# KiCad board 2x2RemotePanel.kicad_pcb (continued)
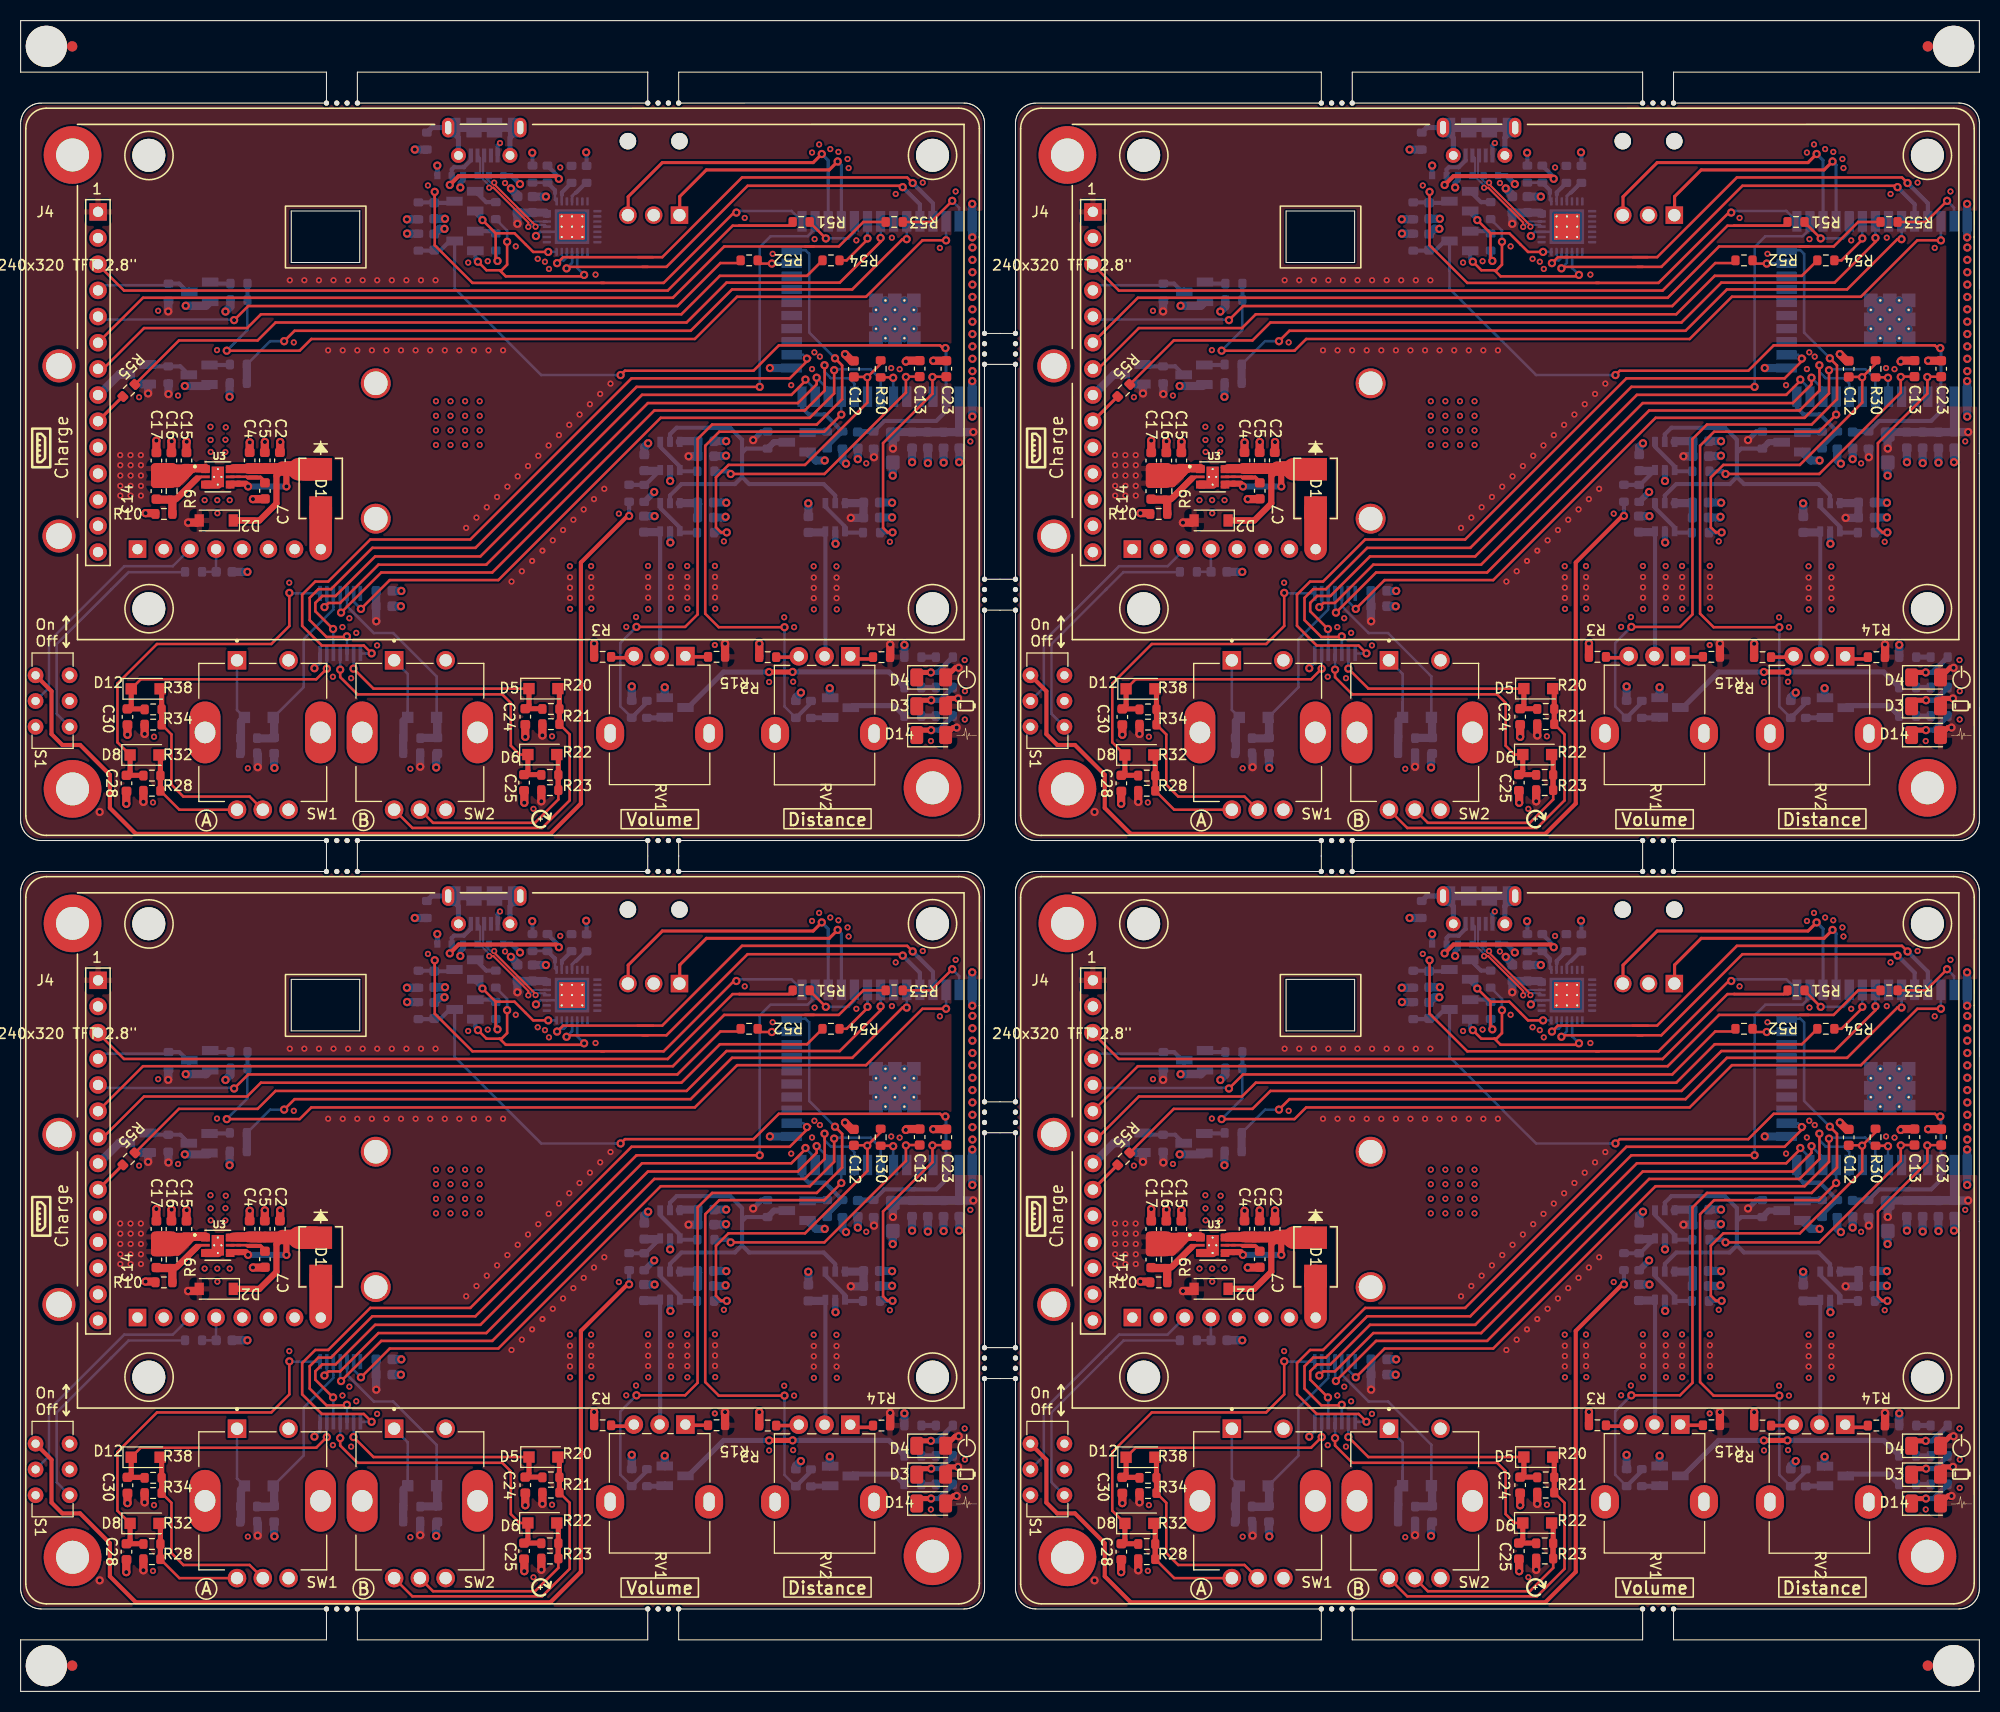
[diagram p0: board, top side]
## Nets (continued)
Board_0-unconnected-(U6-Pad16): U6#2.16
Board_0-unconnected-(U6-Pad17): U6#2.17
Board_0-unconnected-(U6-Pad18): U6#2.18
Board_0-unconnected-(U6-Pad19): U6#2.19
Board_0-unconnected-(U6-Pad20): U6#2.20
Board_0-unconnected-(U6-Pad21): U6#2.21
Board_0-unconnected-(U6-Pad22): U6#2.22
Board_0-unconnected-(U6-Pad23): U6#2.23
Board_0-unconnected-(U6-Pad27): U6#2.27
Board_0-unconnected-(U7-Pad5): U7#2.5
Board_0-unconnected-(U7-Pad17): U7#2.17
Board_0-unconnected-(U7-Pad18): U7#2.18
Board_0-unconnected-(U7-Pad19): U7#2.19
Board_0-unconnected-(U7-Pad20): U7#2.20
Board_0-unconnected-(U7-Pad21): U7#2.21
Board_0-unconnected-(U7-Pad22): U7#2.22
Board_0-VBAT: J1#4.3 S1#4.2
Board_0-VBUS: D9.2 J3#4.1 R35#3.2
Board_1-+3V3: C8#2.1 C9#2.1 C10.1 C11.1 C14.2 C15#4.2 C16#4.2 C17#4.2 C19.1 C20#3.1 C21#2.2 C22#4.1 C29#3.2 C31#4.2 C33#4.2 C34#4.2 C36#2.2 C37#4.2 C39#2.1 D2#4.2 D3#2.2 D4#2.2 D14.2 J4#4.1 Q8#3.2 R2.1 R9#4.2 R14#2.1 R17#2.1 R21.1 R23#4.1 R24#3.1 R26#4.1 R32#2.1 R33#2.1 R38.1 R39#2.1 R46#4.1 R56#4.2 U1#4.6 U2#3.6 U3.1 U3.2 U4#3.6 U5.14 U6.6 U6.7 U7#3.2
Board_1-+5V: D1#2.2 J1#3.8
Board_1-/D+: D10#3.2 J3#2.3 U6.4
Board_1-/D-: D11#4.2 J3#2.2 U6.5
Board_1-ADC0: C12#2.2 R6#4.2 R30#3.1 U7#3.9
Board_1-ADC1: C13#4.2 R7#2.2 U7#3.6
Board_1-ADC2: C23#4.2 R16#2.2 U7#3.4
Board_1-DTR: Q5#3.2 R45#4.1 U6.28
Board_1-EN_: C26#4.2 C35#3.2 Q6#4.3 R26#4.2 R48.2 U7#3.3
Board_1-Enc1A: U5.1 U7#3.16
Board_1-Enc1A_: C24.1 D5#4.1 R20#4.1 U5.2
Board_1-Enc1B: U5.3 U7#3.26
Board_1-Enc1B_: C25#3.1 D6#3.1 R22.1 U5.4
Board_1-Enc2A: U5.9 U7#3.12
Board_1-Enc2A_: C28#2.1 D8.1 R28#2.1 U5.8
Board_1-Enc2B: U5.5 U7#3.13
Board_1-Enc2B_: C30#4.1 D12.1 R34#2.1 U5.6
Board_1-ESP32_RXD0: U6.26 U7#3.35
Board_1-ESP32_TXD0: U6.25 U7#3.34
Board_1-GND: C1#3.2 C2.1 C3#2.1 C4#4.1 C5#2.1 C6.1 C7.1 C8#2.2 C9#2.2 C10.2 C11.2 C12#2.1 C13#4.1 C15#4.1 C16#4.1 C17#4.1 C18#4.1 C19.2 C20#3.2 C21#2.1 C22#4.2 C23#4.1 C24.2 C25#3.2 C26#4.1 C27.2 C28#2.2 C29#3.1 C30#4.2 C31#4.1 C32.2 C33#4.1 C34#4.1 C35#3.1 C36#2.1 C37#4.1 C38#3.2 C39#2.2 D9#2.1 D10#3.1 D11#4.1 H1#4.1 H2#4.1 H3#3.1 J1#3.2 J1#3.5 J1#3.7 J1#3.P$1 J1#3.P$2 J1#3.S1 J1#3.S2 J2#4.2 J3#2.5 J4#4.2 Q1#4.2 Q2#4.2 Q3.2 Q4#2.2 Q7.2 R3#2.2 R5#2.2 R10.1 R12.2 R13.2 R15#4.2 R19#2.2 R27#3.1 R29#3.2 R37#2.2 R41#2.2 R42#4.2 R47#2.2 R48.1 R49#3.2 S1#3.5 SW1.2 SW1.B SW1.S1 SW1.S2 SW2#2.2 SW2#2.B SW2#2.S1 SW2#2.S2 U1#4.2 U2#3.2 U3.4 U3.5 U3.11 U3.12 U3.13 U3.14 U3.15 U4#3.2 U5.7 U6.3 U6.29 U7#3.1 U7#3.15 U7#3.38 U7#3.39_1 U7#3.39_2 U7#3.39_3 U7#3.39_4 U7#3.39_5 U7#3.39_6 U7#3.39_7 U7#3.39_8 U7#3.39_9 U7#3.39_10 U7#3.39_11 U7#3.39_12 U7#3.39_13 U7#3.39_14 U7#3.39_15 U7#3.39_16 U7#3.39_17 U7#3.39_18 U7#3.39_19 U7#3.39_20 U7#3.39_21
Board_1-IO0: C38#3.1 Q5#3.3 R47#2.1 U7#3.25
Board_1-LB: R29#3.1 R31#2.1 U7#3.11
Board_1-MCU_HB: R11#3.1 R12.1 U7#3.24
Board_1-Net-(C1-Pad1): C1#3.1 J1#3.4 R1.1
Board_1-Net-(C3-Pad2): C3#2.2 RV1#3.2 U1#4.3
Board_1-Net-(C6-Pad2): C6.2 R4#4.2 R5#2.1 U2#3.3
Board_1-Net-(C7-Pad2): C7.2 U3.8
Board_1-Net-(C14-Pad1): C14.1 R9#4.1 R10.2 U3.3
Board_1-Net-(C18-Pad2): C18#4.2 RV2#2.2 U4#3.3
Board_1-Net-(D3-Pad1): D3#2.1 R8#2.1
Board_1-Net-(D4-Pad1): D4#2.1 R58.1
Board_1-Net-(D5-Pad2): D5#4.2 R20#4.2 R21.2 SW2#2.A
Board_1-Net-(D6-Pad2): D6#3.2 R22.2 R23#4.2 SW2#2.C
Board_1-Net-(D8-Pad2): D8.2 R28#2.2 R32#2.2 SW1.A
Board_1-Net-(D12-Pad2): D12.2 R34#2.2 R38.2 SW1.C
Board_1-Net-(D14-Pad1): D14.1 R40#2.1
Board_1-Net-(J3-Pad6): J3#2.6 R27#3.2
Board_1-Net-(J4-Pad3): J4#4.3 R51#4.2
Board_1-Net-(J4-Pad4): J4#4.4 Q4#2.3 R46#4.2
Board_1-Net-(J4-Pad5): J4#4.5 R52#3.2
Board_1-Net-(J4-Pad6): J4#4.6 R53#3.2
Board_1-Net-(J4-Pad7): J4#4.7 R54#4.2
Board_1-Net-(J4-Pad9): J4#4.9 R55#2.2
Board_1-Net-(Q1-Pad1): Q1#4.1 R11#3.2
Board_1-Net-(Q1-Pad3): Q1#4.3 R57#3.2
Board_1-Net-(Q2-Pad1): Q2#4.1 R18#2.2
Board_1-Net-(Q3-Pad1): Q3.1 R31#2.2
Board_1-Net-(Q3-Pad3): Q3.3 R59#3.2
Board_1-Net-(Q4-Pad1): Q4#2.1 R43#3.2
Board_1-Net-(Q5-Pad1): Q5#3.1 R44.2
Board_1-Net-(Q6-Pad1): Q6#4.1 R45#4.2
Board_1-Net-(Q7-Pad1): Q7.1 R50#4.2
Board_1-Net-(Q7-Pad3): Q7.3 Q8#3.1 R56#4.1
Board_1-Net-(R1-Pad2): R1.2 S1#3.6
Board_1-Net-(R2-Pad2): R2.2 RV1#3.1
Board_1-Net-(R3-Pad1): R3#2.1 RV1#3.3
Board_1-Net-(R4-Pad1): R4#4.1 S1#3.1
Board_1-Net-(R6-Pad1): R6#4.1 U1#4.1 U1#4.4
Board_1-Net-(R7-Pad1): R7#2.1 U2#3.1 U2#3.4
Board_1-Net-(R13-Pad1): R13.1 R58.2
Board_1-Net-(R14-Pad2): R14#2.2 RV2#2.1
Board_1-Net-(R15-Pad1): R15#4.1 RV2#2.3
Board_1-Net-(R16-Pad1): R16#2.1 U4#3.1 U4#3.4
Board_1-Net-(R30-Pad2): R30#3.2 U7#3.7
Board_1-Net-(R35-Pad1): R35.1 R37#2.1 U6.8
Board_1-Net-(R39-Pad2): R39#2.2 U6.9
Board_1-Net-(R40-Pad2): R40#2.2 R59#3.1
Board_1-Net-(R41-Pad1): R41#2.1 U6.11
Board_1-Net-(R57-Pad1): R8#2.2 R57#3.1
Board_1-OA_LP: R18#2.1 R19#2.1 U7#3.14
Board_1-PD#: Q2#4.3 R17#2.2 U1#4.5 U2#3.5 U4#3.5
Board_1-RTS: Q6#4.2 R44.1 U6.24
Board_1-RX2: J2#4.1 U7#3.28
Board_1-Sel1: U5.13 U7#3.8
Board_1-Sel1_: D7.2 R24#3.2 R25.1 SW2#2.1
Board_1-Sel1_Filt: C27.1 D7.1 R25.2 U5.12
Board_1-Sel2: U5.11 U7#3.10
Board_1-Sel2_: D13#2.2 R33#2.2 R36#4.1 SW1.1
Board_1-Sel2_Filt: C32.1 D13#2.1 R36#4.2 U5.10
Board_1-TFT_CS~: R51#4.1 U7#3.29
Board_1-TFT_DC: R52#3.1 U7#3.23
Board_1-TFT_LED: J4#4.8 Q8#3.3
Board_1-TFT_MISO: R55#2.1 U7#3.31
Board_1-TFT_MOSI: R53#3.1 U7#3.37
Board_1-TFT_ON/PWM_BL_CTRL: R49#3.1 R50#4.1 U7#3.33
Board_1-TFT_RST: R42#4.1 R43#3.1 U7#3.36
Board_1-TFT_SCK: R54#4.1 U7#3.30
Board_1-TX2: J2#4.3 U7#3.27
Board_1-unconnected-(J1-Pad1): J1#3.1
Board_1-unconnected-(J1-Pad6): J1#3.6
Board_1-unconnected-(J3-Pad4): J3#2.4
Board_1-unconnected-(J4-Pad10): J4#4.10
Board_1-unconnected-(J4-Pad11): J4#4.11
Board_1-unconnected-(J4-Pad12): J4#4.12
Board_1-unconnected-(J4-Pad13): J4#4.13
Board_1-unconnected-(J4-Pad14): J4#4.14
Board_1-unconnected-(S1-Pad3): S1#3.3
Board_1-unconnected-(S1-Pad4): S1#3.4
Board_1-unconnected-(U6-Pad1): U6.1
Board_1-unconnected-(U6-Pad2): U6.2
Board_1-unconnected-(U6-Pad10): U6.10
Board_1-unconnected-(U6-Pad12): U6.12
Board_1-unconnected-(U6-Pad13): U6.13
Board_1-unconnected-(U6-Pad14): U6.14
Board_1-unconnected-(U6-Pad15): U6.15
Board_1-unconnected-(U6-Pad16): U6.16
Board_1-unconnected-(U6-Pad17): U6.17
Board_1-unconnected-(U6-Pad18): U6.18
Board_1-unconnected-(U6-Pad19): U6.19
Board_1-unconnected-(U6-Pad20): U6.20
Board_1-unconnected-(U6-Pad21): U6.21
Board_1-unconnected-(U6-Pad22): U6.22
Board_1-unconnected-(U6-Pad23): U6.23
Board_1-unconnected-(U6-Pad27): U6.27
Board_1-unconnected-(U7-Pad5): U7#3.5
Board_1-unconnected-(U7-Pad17): U7#3.17
Board_1-unconnected-(U7-Pad18): U7#3.18
Board_1-unconnected-(U7-Pad19): U7#3.19
Board_1-unconnected-(U7-Pad20): U7#3.20
Board_1-unconnected-(U7-Pad21): U7#3.21
Board_1-unconnected-(U7-Pad22): U7#3.22
Board_1-VBAT: J1#3.3 S1#3.2
Board_1-VBUS: D9#2.2 J3#2.1 R35.2
Board_2-+3V3: C8.1 C9#4.1 C10#4.1 C11#2.1 C14#4.2 C15#3.2 C16.2 C17#3.2 C19#2.1 C20.1 C21.2 C22#3.1 C29#2.2 C31.2 C33.2 C34#3.2 C36.2 C37.2 C39.1 D2.2 D3#3.2 D4.2 D14#4.2 J4.1 Q8.2 R2#4.1 R9#3.2 R14#4.1 R17.1 R21#4.1 R23#3.1 R24#2.1 R26#3.1 R32#3.1 R33#3.1 R38#3.1 R39#3.1 R46#2.1 R56#2.2 U1#3.6 U2#2.6 U3#3.1 U3#3.2 U4.6 U5#4.14 U6#3.6 U6#3.7 U7.2
Board_2-+5V: D1.2 J1#2.8
Board_2-/D+: D10.2 J3#3.3 U6#3.4
Board_2-/D-: D11#3.2 J3#3.2 U6#3.5
Board_2-ADC0: C12.2 R6.2 R30#4.1 U7.9
Board_2-ADC1: C13#3.2 R7#3.2 U7.6
Board_2-ADC2: C23#2.2 R16#4.2 U7.4
Board_2-DTR: Q5.2 R45#2.1 U6#3.28
Board_2-EN_: C26#2.2 C35#4.2 Q6#2.3 R26#3.2 R48#4.2 U7.3
Board_2-Enc1A: U5#4.1 U7.16
Board_2-Enc1A_: C24#2.1 D5#2.1 R20#3.1 U5#4.2
Board_2-Enc1B: U5#4.3 U7.26
Board_2-Enc1B_: C25.1 D6#2.1 R22#2.1 U5#4.4
Board_2-Enc2A: U5#4.9 U7.12
Board_2-Enc2A_: C28.1 D8#2.1 R28#3.1 U5#4.8
Board_2-Enc2B: U5#4.5 U7.13
Board_2-Enc2B_: C30#3.1 D12#3.1 R34#4.1 U5#4.6
Board_2-ESP32_RXD0: U6#3.26 U7.35
Board_2-ESP32_TXD0: U6#3.25 U7.34
Board_2-GND: C1#2.2 C2#4.1 C3#4.1 C4#3.1 C5#4.1 C6#4.1 C7#2.1 C8.2 C9#4.2 C10#4.2 C11#2.2 C12.1 C13#3.1 C15#3.1 C16.1 C17#3.1 C18#2.1 C19#2.2 C20.2 C21.1 C22#3.2 C23#2.1 C24#2.2 C25.2 C26#2.1 C27#4.2 C28.2 C29#2.1 C30#3.2 C31.1 C32#2.2 C33.1 C34#3.1 C35#4.1 C36.1 C37.1 C38#4.2 C39.2 D9#4.1 D10.1 D11#3.1 H1#2.1 H2#2.1 H3.1 J1#2.2 J1#2.5 J1#2.7 J1#2.P$1 J1#2.P$2 J1#2.S1 J1#2.S2 J2#3.2 J3#3.5 J4.2 Q1#3.2 Q2#2.2 Q3#4.2 Q4#4.2 Q7#3.2 R3#3.2 R5#3.2 R10#2.1 R12#2.2 R13#2.2 R15#3.2 R19#3.2 R27.1 R29.2 R37#4.2 R41#4.2 R42.2 R47#3.2 R48#4.1 R49#4.2 S1.5 SW1#4.2 SW1#4.B SW1#4.S1 SW1#4.S2 SW2.2 SW2.B SW2.S1 SW2.S2 U1#3.2 U2#2.2 U3#3.4 U3#3.5 U3#3.11 U3#3.12 U3#3.13 U3#3.14 U3#3.15 U4.2 U5#4.7 U6#3.3 U6#3.29 U7.1 U7.15 U7.38 U7.39_1 U7.39_2 U7.39_3 U7.39_4 U7.39_5 U7.39_6 U7.39_7 U7.39_8 U7.39_9 U7.39_10 U7.39_11 U7.39_12 U7.39_13 U7.39_14 U7.39_15 U7.39_16 U7.39_17 U7.39_18 U7.39_19 U7.39_20 U7.39_21
Board_2-IO0: C38#4.1 Q5.3 R47#3.1 U7.25
Board_2-LB: R29.1 R31#3.1 U7.11
Board_2-MCU_HB: R11.1 R12#2.1 U7.24
Board_2-Net-(C1-Pad1): C1#2.1 J1#2.4 R1#3.1
Board_2-Net-(C3-Pad2): C3#4.2 RV1#4.2 U1#3.3
Board_2-Net-(C6-Pad2): C6#4.2 R4.2 R5#3.1 U2#2.3
Board_2-Net-(C7-Pad2): C7#2.2 U3#3.8
Board_2-Net-(C14-Pad1): C14#4.1 R9#3.1 R10#2.2 U3#3.3
Board_2-Net-(C18-Pad2): C18#2.2 RV2#4.2 U4.3
Board_2-Net-(D3-Pad1): D3#3.1 R8#3.1
Board_2-Net-(D4-Pad1): D4.1 R58#2.1
Board_2-Net-(D5-Pad2): D5#2.2 R20#3.2 R21#4.2 SW2.A
Board_2-Net-(D6-Pad2): D6#2.2 R22#2.2 R23#3.2 SW2.C
Board_2-Net-(D8-Pad2): D8#2.2 R28#3.2 R32#3.2 SW1#4.A
Board_2-Net-(D12-Pad2): D12#3.2 R34#4.2 R38#3.2 SW1#4.C
Board_2-Net-(D14-Pad1): D14#4.1 R40#3.1
Board_2-Net-(J3-Pad6): J3#3.6 R27.2
Board_2-Net-(J4-Pad3): J4.3 R51#3.2
Board_2-Net-(J4-Pad4): J4.4 Q4#4.3 R46#2.2
Board_2-Net-(J4-Pad5): J4.5 R52.2
Board_2-Net-(J4-Pad6): J4.6 R53.2
Board_2-Net-(J4-Pad7): J4.7 R54#2.2
Board_2-Net-(J4-Pad9): J4.9 R55#3.2
Board_2-Net-(Q1-Pad1): Q1#3.1 R11.2
Board_2-Net-(Q1-Pad3): Q1#3.3 R57#4.2
Board_2-Net-(Q2-Pad1): Q2#2.1 R18#4.2
Board_2-Net-(Q3-Pad1): Q3#4.1 R31#3.2
Board_2-Net-(Q3-Pad3): Q3#4.3 R59#4.2
Board_2-Net-(Q4-Pad1): Q4#4.1 R43#4.2
Board_2-Net-(Q5-Pad1): Q5.1 R44#3.2
Board_2-Net-(Q6-Pad1): Q6#2.1 R45#2.2
Board_2-Net-(Q7-Pad1): Q7#3.1 R50#3.2
Board_2-Net-(Q7-Pad3): Q7#3.3 Q8.1 R56#2.1
Board_2-Net-(R1-Pad2): R1#3.2 S1.6
Board_2-Net-(R2-Pad2): R2#4.2 RV1#4.1
Board_2-Net-(R3-Pad1): R3#3.1 RV1#4.3
Board_2-Net-(R4-Pad1): R4.1 S1.1
Board_2-Net-(R6-Pad1): R6.1 U1#3.1 U1#3.4
Board_2-Net-(R7-Pad1): R7#3.1 U2#2.1 U2#2.4
Board_2-Net-(R13-Pad1): R13#2.1 R58#2.2
Board_2-Net-(R14-Pad2): R14#4.2 RV2#4.1
Board_2-Net-(R15-Pad1): R15#3.1 RV2#4.3
Board_2-Net-(R16-Pad1): R16#4.1 U4.1 U4.4
Board_2-Net-(R30-Pad2): R30#4.2 U7.7
Board_2-Net-(R35-Pad1): R35#2.1 R37#4.1 U6#3.8
Board_2-Net-(R39-Pad2): R39#3.2 U6#3.9
Board_2-Net-(R40-Pad2): R40#3.2 R59#4.1
Board_2-Net-(R41-Pad1): R41#4.1 U6#3.11
Board_2-Net-(R57-Pad1): R8#3.2 R57#4.1
Board_2-OA_LP: R18#4.1 R19#3.1 U7.14
Board_2-PD#: Q2#2.3 R17.2 U1#3.5 U2#2.5 U4.5
Board_2-RTS: Q6#2.2 R44#3.1 U6#3.24
Board_2-RX2: J2#3.1 U7.28
Board_2-Sel1: U5#4.13 U7.8
Board_2-Sel1_: D7#4.2 R24#2.2 R25#3.1 SW2.1
Board_2-Sel1_Filt: C27#4.1 D7#4.1 R25#3.2 U5#4.12
Board_2-Sel2: U5#4.11 U7.10
Board_2-Sel2_: D13.2 R33#3.2 R36#2.1 SW1#4.1
Board_2-Sel2_Filt: C32#2.1 D13.1 R36#2.2 U5#4.10
Board_2-TFT_CS~: R51#3.1 U7.29
Board_2-TFT_DC: R52.1 U7.23
Board_2-TFT_LED: J4.8 Q8.3
Board_2-TFT_MISO: R55#3.1 U7.31
Board_2-TFT_MOSI: R53.1 U7.37
Board_2-TFT_ON/PWM_BL_CTRL: R49#4.1 R50#3.1 U7.33
Board_2-TFT_RST: R42.1 R43#4.1 U7.36
Board_2-TFT_SCK: R54#2.1 U7.30
Board_2-TX2: J2#3.3 U7.27
Board_2-unconnected-(J1-Pad1): J1#2.1
Board_2-unconnected-(J1-Pad6): J1#2.6
Board_2-unconnected-(J3-Pad4): J3#3.4
Board_2-unconnected-(J4-Pad10): J4.10
Board_2-unconnected-(J4-Pad11): J4.11
Board_2-unconnected-(J4-Pad12): J4.12
Board_2-unconnected-(J4-Pad13): J4.13
Board_2-unconnected-(J4-Pad14): J4.14
Board_2-unconnected-(S1-Pad3): S1.3
Board_2-unconnected-(S1-Pad4): S1.4
Board_2-unconnected-(U6-Pad1): U6#3.1
Board_2-unconnected-(U6-Pad2): U6#3.2
Board_2-unconnected-(U6-Pad10): U6#3.10
Board_2-unconnected-(U6-Pad12): U6#3.12
Board_2-unconnected-(U6-Pad13): U6#3.13
Board_2-unconnected-(U6-Pad14): U6#3.14
Board_2-unconnected-(U6-Pad15): U6#3.15
Board_2-unconnected-(U6-Pad16): U6#3.16
Board_2-unconnected-(U6-Pad17): U6#3.17
Board_2-unconnected-(U6-Pad18): U6#3.18
Board_2-unconnected-(U6-Pad19): U6#3.19
Board_2-unconnected-(U6-Pad20): U6#3.20
Board_2-unconnected-(U6-Pad21): U6#3.21
Board_2-unconnected-(U6-Pad22): U6#3.22
Board_2-unconnected-(U6-Pad23): U6#3.23
Board_2-unconnected-(U6-Pad27): U6#3.27
Board_2-unconnected-(U7-Pad5): U7.5
Board_2-unconnected-(U7-Pad17): U7.17
Board_2-unconnected-(U7-Pad18): U7.18
Board_2-unconnected-(U7-Pad19): U7.19
Board_2-unconnected-(U7-Pad20): U7.20
Board_2-unconnected-(U7-Pad21): U7.21
Board_2-unconnected-(U7-Pad22): U7.22
Board_2-VBAT: J1#2.3 S1.2
Board_2-VBUS: D9#4.2 J3#3.1 R35#2.2
Board_3-+3V3: C8#4.1 C9#3.1 C10#2.1 C11#3.1 C14#2.2 C15.2 C16#2.2 C17#2.2 C19#3.1 C20#4.1 C21#3.2 C22#2.1 C29#4.2 C31#3.2 C33#2.2 C34#2.2 C36#4.2 C37#2.2 C39#4.1 D2#2.2 D3.2 D4#3.2 D14#3.2 J4#2.1 Q8#4.2 R2#3.1 R9#2.2 R14.1 R17#4.1 R21#2.1 R23#2.1 R24#4.1 R26#2.1 R32#4.1 R33#4.1 R38#4.1 R39.1 R46.1 R56#3.2 U1#2.6 U2#4.6 U3#2.1 U3#2.2 U4#4.6 U5#3.14 U6#4.6 U6#4.7 U7#4.2
Board_3-+5V: D1#4.2 J1.8
Board_3-/D+: D10#4.2 J3.3 U6#4.4
Board_3-/D-: D11#2.2 J3.2 U6#4.5
Board_3-ADC0: C12#3.2 R6#3.2 R30.1 U7#4.9
Board_3-ADC1: C13#2.2 R7.2 U7#4.6
Board_3-ADC2: C23.2 R16.2 U7#4.4
Board_3-DTR: Q5#2.2 R45.1 U6#4.28
Board_3-EN_: C26#3.2 C35#2.2 Q6.3 R26#2.2 R48#2.2 U7#4.3
Board_3-Enc1A: U5#3.1 U7#4.16
Board_3-Enc1A_: C24#4.1 D5#3.1 R20#2.1 U5#3.2
Board_3-Enc1B: U5#3.3 U7#4.26
Board_3-Enc1B_: C25#4.1 D6#4.1 R22#4.1 U5#3.4
Board_3-Enc2A: U5#3.9 U7#4.12
Board_3-Enc2A_: C28#3.1 D8#4.1 R28#4.1 U5#3.8
Board_3-Enc2B: U5#3.5 U7#4.13
Board_3-Enc2B_: C30.1 D12#4.1 R34.1 U5#3.6
Board_3-ESP32_RXD0: U6#4.26 U7#4.35
Board_3-ESP32_TXD0: U6#4.25 U7#4.34
Board_3-GND: C1#4.2 C2#2.1 C3#3.1 C4.1 C5#3.1 C6#3.1 C7#3.1 C8#4.2 C9#3.2 C10#2.2 C11#3.2 C12#3.1 C13#2.1 C15.1 C16#2.1 C17#2.1 C18.1 C19#3.2 C20#4.2 C21#3.1 C22#2.2 C23.1 C24#4.2 C25#4.2 C26#3.1 C27#2.2 C28#3.2 C29#4.1 C30.2 C31#3.1 C32#4.2 C33#2.1 C34#2.1 C35#2.1 C36#4.1 C37#2.1 C38#2.2 C39#4.2 D9#3.1 D10#4.1 D11#2.1 H1#3.1 H2.1 H3#2.1 J1.2 J1.5 J1.7 J1.P$1 J1.P$2 J1.S1 J1.S2 J2#2.2 J3.5 J4#2.2 Q1.2 Q2.2 Q3#2.2 Q4#3.2 Q7#2.2 R3.2 R5#4.2 R10#3.1 R12#4.2 R13#3.2 R15#2.2 R19#4.2 R27#2.1 R29#4.2 R37#3.2 R41.2 R42#2.2 R47.2 R48#2.1 R49#2.2 S1#2.5 SW1#2.2 SW1#2.B SW1#2.S1 SW1#2.S2 SW2#4.2 SW2#4.B SW2#4.S1 SW2#4.S2 U1#2.2 U2#4.2 U3#2.4 U3#2.5 U3#2.11 U3#2.12 U3#2.13 U3#2.14 U3#2.15 U4#4.2 U5#3.7 U6#4.3 U6#4.29 U7#4.1 U7#4.15 U7#4.38 U7#4.39_1 U7#4.39_2 U7#4.39_3 U7#4.39_4 U7#4.39_5 U7#4.39_6 U7#4.39_7 U7#4.39_8 U7#4.39_9 U7#4.39_10 U7#4.39_11 U7#4.39_12 U7#4.39_13 U7#4.39_14 U7#4.39_15 U7#4.39_16 U7#4.39_17 U7#4.39_18 U7#4.39_19 U7#4.39_20 U7#4.39_21
Board_3-IO0: C38#2.1 Q5#2.3 R47.1 U7#4.25
Board_3-LB: R29#4.1 R31.1 U7#4.11
Board_3-MCU_HB: R11#4.1 R12#4.1 U7#4.24
Board_3-Net-(C1-Pad1): C1#4.1 J1.4 R1#2.1
Board_3-Net-(C3-Pad2): C3#3.2 RV1#2.2 U1#2.3
Board_3-Net-(C6-Pad2): C6#3.2 R4#3.2 R5#4.1 U2#4.3
Board_3-Net-(C7-Pad2): C7#3.2 U3#2.8
Board_3-Net-(C14-Pad1): C14#2.1 R9#2.1 R10#3.2 U3#2.3
Board_3-Net-(C18-Pad2): C18.2 RV2.2 U4#4.3
Board_3-Net-(D3-Pad1): D3.1 R8#4.1
Board_3-Net-(D4-Pad1): D4#3.1 R58#3.1
Board_3-Net-(D5-Pad2): D5#3.2 R20#2.2 R21#2.2 SW2#4.A
Board_3-Net-(D6-Pad2): D6#4.2 R22#4.2 R23#2.2 SW2#4.C
Board_3-Net-(D8-Pad2): D8#4.2 R28#4.2 R32#4.2 SW1#2.A
Board_3-Net-(D12-Pad2): D12#4.2 R34.2 R38#4.2 SW1#2.C
Board_3-Net-(D14-Pad1): D14#3.1 R40.1
Board_3-Net-(J3-Pad6): J3.6 R27#2.2
Board_3-Net-(J4-Pad3): J4#2.3 R51#2.2
Board_3-Net-(J4-Pad4): J4#2.4 Q4#3.3 R46.2
Board_3-Net-(J4-Pad5): J4#2.5 R52#2.2
Board_3-Net-(J4-Pad6): J4#2.6 R53#4.2
Board_3-Net-(J4-Pad7): J4#2.7 R54#3.2
Board_3-Net-(J4-Pad9): J4#2.9 R55#4.2
Board_3-Net-(Q1-Pad1): Q1.1 R11#4.2
Board_3-Net-(Q1-Pad3): Q1.3 R57#2.2
Board_3-Net-(Q2-Pad1): Q2.1 R18#3.2
Board_3-Net-(Q3-Pad1): Q3#2.1 R31.2
Board_3-Net-(Q3-Pad3): Q3#2.3 R59#2.2
Board_3-Net-(Q4-Pad1): Q4#3.1 R43.2
Board_3-Net-(Q5-Pad1): Q5#2.1 R44#2.2
Board_3-Net-(Q6-Pad1): Q6.1 R45.2
Board_3-Net-(Q7-Pad1): Q7#2.1 R50.2
Board_3-Net-(Q7-Pad3): Q7#2.3 Q8#4.1 R56#3.1
Board_3-Net-(R1-Pad2): R1#2.2 S1#2.6
Board_3-Net-(R2-Pad2): R2#3.2 RV1#2.1
Board_3-Net-(R3-Pad1): R3.1 RV1#2.3
Board_3-Net-(R4-Pad1): R4#3.1 S1#2.1
Board_3-Net-(R6-Pad1): R6#3.1 U1#2.1 U1#2.4
Board_3-Net-(R7-Pad1): R7.1 U2#4.1 U2#4.4
Board_3-Net-(R13-Pad1): R13#3.1 R58#3.2
Board_3-Net-(R14-Pad2): R14.2 RV2.1
Board_3-Net-(R15-Pad1): R15#2.1 RV2.3
Board_3-Net-(R16-Pad1): R16.1 U4#4.1 U4#4.4
Board_3-Net-(R30-Pad2): R30.2 U7#4.7
Board_3-Net-(R35-Pad1): R35#4.1 R37#3.1 U6#4.8
Board_3-Net-(R39-Pad2): R39.2 U6#4.9
Board_3-Net-(R40-Pad2): R40.2 R59#2.1
Board_3-Net-(R41-Pad1): R41.1 U6#4.11
Board_3-Net-(R57-Pad1): R8#4.2 R57#2.1
Board_3-OA_LP: R18#3.1 R19#4.1 U7#4.14
Board_3-PD#: Q2.3 R17#4.2 U1#2.5 U2#4.5 U4#4.5
Board_3-RTS: Q6.2 R44#2.1 U6#4.24
Board_3-RX2: J2#2.1 U7#4.28
Board_3-Sel1: U5#3.13 U7#4.8
Board_3-Sel1_: D7#3.2 R24#4.2 R25#4.1 SW2#4.1
Board_3-Sel1_Filt: C27#2.1 D7#3.1 R25#4.2 U5#3.12
Board_3-Sel2: U5#3.11 U7#4.10
Board_3-Sel2_: D13#3.2 R33#4.2 R36.1 SW1#2.1
Board_3-Sel2_Filt: C32#4.1 D13#3.1 R36.2 U5#3.10
Board_3-TFT_CS~: R51#2.1 U7#4.29
Board_3-TFT_DC: R52#2.1 U7#4.23
Board_3-TFT_LED: J4#2.8 Q8#4.3
Board_3-TFT_MISO: R55#4.1 U7#4.31
Board_3-TFT_MOSI: R53#4.1 U7#4.37
Board_3-TFT_ON/PWM_BL_CTRL: R49#2.1 R50.1 U7#4.33
Board_3-TFT_RST: R42#2.1 R43.1 U7#4.36
Board_3-TFT_SCK: R54#3.1 U7#4.30
Board_3-TX2: J2#2.3 U7#4.27
Board_3-unconnected-(J1-Pad1): J1.1
Board_3-unconnected-(J1-Pad6): J1.6
Board_3-unconnected-(J3-Pad4): J3.4
Board_3-unconnected-(J4-Pad10): J4#2.10
Board_3-unconnected-(J4-Pad11): J4#2.11
Board_3-unconnected-(J4-Pad12): J4#2.12
Board_3-unconnected-(J4-Pad13): J4#2.13
Board_3-unconnected-(J4-Pad14): J4#2.14
Board_3-unconnected-(S1-Pad3): S1#2.3
Board_3-unconnected-(S1-Pad4): S1#2.4
Board_3-unconnected-(U6-Pad1): U6#4.1
Board_3-unconnected-(U6-Pad2): U6#4.2
Board_3-unconnected-(U6-Pad10): U6#4.10
Board_3-unconnected-(U6-Pad12): U6#4.12
Board_3-unconnected-(U6-Pad13): U6#4.13
Board_3-unconnected-(U6-Pad14): U6#4.14
Board_3-unconnected-(U6-Pad15): U6#4.15
Board_3-unconnected-(U6-Pad16): U6#4.16
Board_3-unconnected-(U6-Pad17): U6#4.17
Board_3-unconnected-(U6-Pad18): U6#4.18
Board_3-unconnected-(U6-Pad19): U6#4.19
Board_3-unconnected-(U6-Pad20): U6#4.20
Board_3-unconnected-(U6-Pad21): U6#4.21
Board_3-unconnected-(U6-Pad22): U6#4.22
Board_3-unconnected-(U6-Pad23): U6#4.23
Board_3-unconnected-(U6-Pad27): U6#4.27
Board_3-unconnected-(U7-Pad5): U7#4.5
Board_3-unconnected-(U7-Pad17): U7#4.17
Board_3-unconnected-(U7-Pad18): U7#4.18
Board_3-unconnected-(U7-Pad19): U7#4.19
Board_3-unconnected-(U7-Pad20): U7#4.20
Board_3-unconnected-(U7-Pad21): U7#4.21
Board_3-unconnected-(U7-Pad22): U7#4.22
Board_3-VBAT: J1.3 S1#2.2
Board_3-VBUS: D9#3.2 J3.1 R35#4.2

Pads without a net: U7 32; U7#2 32; U7#3 32; U7#4 32

## Via types
v1: diameter 0.6, hole 0.3, Top to Bottom, 788 vias
v2: diameter 0.8, hole 0.4, Top to Bottom, 676 vias
v3: diameter 0.6, hole 0.25, Top to Bottom, 12 vias

## Routing (per net, layer and track width the routed paths; a pad name or vN(x,y) marks a point on that pad's centre or on a via; arc(x,y) is an arc through that point)
Board_0-/VIN: length 44.1
  Top w0.25: 21,118.7 20.82,118.87 20.82,118.38 ; 25.69,118.5 25.52,118.67 25.6,118.59 ; 21.77,117.24 v2(22.07,116.94) ; 25.7,118.67 26.67,118.67 ; 23.71,118.67 C5.2
  Top w0.5: 20.16,117.01 20.16,117.24 ; 20.32,117 20.32,117.23 ; 20.15,118.52 20.15,118.75
  Top w0.6: 25.7,118.67 25.78,118.59 25.78,116.95 ; 25.54,118.88 24.84,118.18 ; 25.52,118.67 24.82,117.97 24.82,115.29 23.17,113.64 D2#3.1 22.67,113.64 ; 21.08,117.21 21.85,117.21 ; 20.44,117.21 21.22,117.21
  Top w0.8: 23.52,118.56 22.3,118.56 ; 21.8,118.7 20.58,118.7 ; 21.73,118.63 20.51,118.63 ; 22.02,118.7 20.8,118.7 ; 23.27,118.56 22.05,118.56 ; 23.64,118.56 22.42,118.56 ; 24.29,118.56 23.07,118.56 ; 23.23,118.8 22.01,118.8 ; 24.92,118.56 23.7,118.56 ; C4#2.2 21,118.7 ; 24.92,118.8 23.7,118.8 ; 22.17,118.63 20.95,118.63
  Top w1: C5.2 C4#2.2 ; 25.52,118.67 23.71,118.67
  Top w1.4: 25.4,118.67 26.67,118.67 ; 25.87,118.67 27.13,118.67
  Top w2.2: 27.01,118.61 27.94,118.61 ; 27.62,118.61 28.55,118.61
  Bottom w0.6: v2(22.07,116.94) v2(25.79,116.94)
Board_1-/VIN: length 44.1
  Top w0.25: 117.5,118.7 117.33,118.87 117.33,118.38 ; 122.19,118.5 122.02,118.67 122.1,118.59 ; 118.28,117.24 v2(118.57,116.94) ; 122.2,118.67 123.17,118.67 ; 120.22,118.67 C5#2.2
  Top w0.5: 116.66,117.01 116.66,117.24 ; 116.83,117 116.83,117.23 ; 116.65,118.52 116.65,118.75
  Top w0.6: 122.2,118.67 122.28,118.59 122.28,116.95 ; 122.04,118.88 121.34,118.18 ; 122.02,118.67 121.32,117.97 121.32,115.29 119.67,113.64 D2#4.1 119.17,113.64 ; 117.58,117.21 118.36,117.21 ; 116.94,117.21 117.72,117.21
  Top w0.8: 120.02,118.56 118.8,118.56 ; 118.3,118.7 117.08,118.7 ; 118.23,118.63 117.01,118.63 ; 118.52,118.7 117.3,118.7 ; 119.77,118.56 118.55,118.56 ; 120.14,118.56 118.92,118.56 ; 120.79,118.56 119.57,118.56 ; 119.73,118.8 118.51,118.8 ; 121.42,118.56 120.2,118.56 ; C4#4.2 117.5,118.7 ; 121.42,118.8 120.2,118.8 ; 118.67,118.63 117.45,118.63
  Top w1: C5#2.2 C4#4.2 ; 122.02,118.67 120.22,118.67
  Top w1.4: 121.91,118.67 123.17,118.67 ; 122.37,118.67 123.64,118.67
  Top w2.2: 123.51,118.61 124.44,118.61 ; 124.13,118.61 125.05,118.61
  Bottom w0.6: v2(118.57,116.94) v2(122.29,116.94)
Board_2-/VIN: length 44.1
  Top w0.25: 21,44.12 20.82,44.3 20.82,43.8 ; 25.69,43.93 25.52,44.1 25.6,44.02 ; 21.77,42.66 v2(22.07,42.37) ; 25.7,44.1 26.67,44.1 ; 23.71,44.1 C5#4.2
  Top w0.5: 20.16,42.43 20.16,42.66 ; 20.32,42.43 20.32,42.66 ; 20.15,43.95 20.15,44.18
  Top w0.6: 25.7,44.1 25.78,44.02 25.78,42.38 ; 25.54,44.31 24.84,43.61 ; 25.52,44.1 24.82,43.4 24.82,40.71 23.17,39.07 D2.1 22.67,39.07 ; 21.08,42.64 21.85,42.64 ; 20.44,42.64 21.22,42.64
  Top w0.8: 23.52,43.99 22.3,43.99 ; 21.8,44.13 20.58,44.13 ; 21.73,44.06 20.51,44.06 ; 22.02,44.13 20.8,44.13 ; 23.27,43.99 22.05,43.99 ; 23.64,43.99 22.42,43.99 ; 24.29,43.99 23.07,43.99 ; 23.23,44.23 22.01,44.23 ; 24.92,43.99 23.7,43.99 ; C4#3.2 21,44.12 ; 24.92,44.23 23.7,44.23 ; 22.17,44.06 20.95,44.06
  Top w1: C5#4.2 C4#3.2 ; 25.52,44.1 23.71,44.1
  Top w1.4: 25.4,44.1 26.67,44.1 ; 25.87,44.1 27.13,44.1
  Top w2.2: 27.01,44.04 27.94,44.04 ; 27.62,44.04 28.55,44.04
  Bottom w0.6: v2(22.07,42.37) v2(25.79,42.37)
Board_3-/VIN: length 44.1
  Top w0.25: 117.5,44.12 117.33,44.3 117.33,43.8 ; 122.19,43.93 122.02,44.1 122.1,44.02 ; 118.28,42.66 v2(118.57,42.37) ; 122.2,44.1 123.17,44.1 ; 120.22,44.1 C5#3.2
  Top w0.5: 116.66,42.43 116.66,42.66 ; 116.83,42.43 116.83,42.66 ; 116.65,43.95 116.65,44.18
  Top w0.6: 122.2,44.1 122.28,44.02 122.28,42.38 ; 122.04,44.31 121.34,43.61 ; 122.02,44.1 121.32,43.4 121.32,40.71 119.67,39.07 D2#2.1 119.17,39.07 ; 117.58,42.64 118.36,42.64 ; 116.94,42.64 117.72,42.64
  Top w0.8: 120.02,43.99 118.8,43.99 ; 118.3,44.13 117.08,44.13 ; 118.23,44.06 117.01,44.06 ; 118.52,44.13 117.3,44.13 ; 119.77,43.99 118.55,43.99 ; 120.14,43.99 118.92,43.99 ; 120.79,43.99 119.57,43.99 ; 119.73,44.23 118.51,44.23 ; 121.42,43.99 120.2,43.99 ; C4.2 117.5,44.12 ; 121.42,44.23 120.2,44.23 ; 118.67,44.06 117.45,44.06
  Top w1: C5#3.2 C4.2 ; 122.02,44.1 120.22,44.1
  Top w1.4: 121.91,44.1 123.17,44.1 ; 122.37,44.1 123.64,44.1
  Top w2.2: 123.51,44.04 124.44,44.04 ; 124.13,44.04 125.05,44.04
  Bottom w0.6: v2(118.57,42.37) v2(122.29,42.37)
Board_0-+3V3: length 86.5
  Top w0.25: 13.17,117.31 C17.2 ; 14.63,117.26 C16#3.2 ; D3#4.2 89.73,96.1
  Top w0.5: D4#4.2 90.66,99.34 v2(91,99.34) ; D14#2.2 90.46,93.54 v2(90.8,93.54) ; 89.73,96.1 89.99,96.36 v2(90.94,96.36) ; 18.1,118.51 18.1,118.74 ; 18.11,118.54 18.11,118.77
  Top w0.6: D2#3.2 17.33,113.64
  Top w0.8: 17.52,118.72 16.78,118.72 16.74,118.68 16.54,118.68 ; R21#3.1 v2(50.62,92.78) ; R23.1 v2(50.51,86.39) ; v2(12.03,92.93) 12.03,93.82 R38#2.1 ; 15.08,118.68 16.54,118.68 ; 16.54,118.68 16.49,118.63 ; 17.95,118.72 17.21,118.72 ; 13.04,117.21 14.5,117.21 ; C16#3.2 C17.2 ; 68.34,100.43 v2(68.34,101.68) ; 14.6,117.31 13.14,117.31 ; 17.82,118.72 17.08,118.72 ; 17.33,113.64 17.12,113.43 v2(16.25,113.43) ; 13.05,117.22 13.05,118.68 ; 14.77,117.55 15.81,118.59 ; 14.65,118.01 13.19,118.01 ; 13.05,117.25 13.05,118.71 ; 13.25,117.21 14.71,117.21 ; 84.36,100.34 84.36,101.59 ; 14.51,118.81 13.05,118.81 ; 14.72,118.39 16.18,118.39 ; 15.61,117.66 16.64,118.7 ; R32.1 v2(11.91,86.34) ; 16.25,118.31 15.21,117.26 14.63,117.26 ; 14.71,117.3 14.71,118.76 ; 14.76,118.81 13.3,118.81
  Bottom w0.25: 50.91,143.52 U6#2.7 ; 84.61,120.63 v2(84.62,120.62) ; 14.32,134.95 R46#3.1 ; 12.5,126.6 12.32,126.78
  Bottom w0.4: 51.24,143.55 51.24,143.23
  Bottom w0.5: v2(71.06,121.44) 71.88,122.26 R17#3.1
  Bottom w0.8: 50.99,143.42 51.02,143.42 ; U1.6 65.65,115.32 65.71,115.26 65.71,113.99 ; U2.6 64,121.33 C11#4.1 65.71,119.88 C10#3.1 v2(64.8,119.87) ; 80,115.32 81.71,115.32 ; C22.1 34.49,103.88 v2(34.5,103.86) ; 82.78,120.59 v2(82.78,119.78) ; 91.04,122.54 U7#2.2 ; v2(48.19,142.43) 48.2,142.44 C29.2 C31#2.2 50.91,143.52 ; 84.82,122.22 89.4,122.22 ; 81.81,113.89 v2(80.54,113.89) ; C37#3.2 91.05,122.22 ; C20#2.1 C19#4.1 ; R24.1 v2(38.76,89.74) ; 87.83,122.22 v2(92.41,122.22) ; 12.37,126.88 v2(12.37,125.97) ; v2(14.32,133.93) 14.32,134.95 ; v2(14.34,125.91) 14.34,126.93 ; C39#3.1 84.61,120.63 ; 23,91 v2(23,89.7)
  vias: v1(9.66,119.98) v1(9.67,119) v1(9.67,118) v1(9.67,117) v1(9.67,116.05) v1(10.66,119.98) v1(10.67,119) v1(10.67,118) v1(10.67,117) v1(10.67,116.05) v1(11.66,119.98) v1(11.67,119) v1(11.67,118) v1(11.67,117) v1(11.67,116.05) v1(26.11,136.95) v1(27.52,136.95) v1(28.94,136.95) v1(29.83,130.15) v1(30.35,136.95) v1(31.25,130.15) v1(31.77,136.95) v1(32.66,130.15) v1(33.18,136.95) v1(34.07,130.15) v1(34.59,136.95) v1(35.49,130.15) v1(36.01,136.95) v1(36.9,130.15) v1(37.42,136.95) v1(38.32,130.15) v1(38.84,136.95) v1(39.73,130.15) v1(40.25,136.95) v1(41.14,130.15) v1(42.56,130.15) v1(43.22,112.92) v1(43.97,130.15) v1(44.22,113.92) v1(45.22,114.92) v1(45.39,130.15) v1(46.22,115.92) v1(46.8,130.15) v1(47.22,116.92) v1(47.62,107.71) v1(48.22,117.92) v1(48.62,108.71) v1(49.22,118.92) v1(50.22,119.92) v1(51.22,120.92) v1(51.62,111.71) v1(52.22,121.92) v1(52.62,112.71) v1(53.22,122.92) v1(53.29,108.12) v1(53.29,107.12) v1(53.29,106.12) v1(53.62,113.71) v1(54.22,123.92) v1(54.62,114.71) v1(55.22,124.92) v1(55.35,108.14) v1(55.35,107.14) v1(55.35,106.14) v1(55.62,115.71) v1(56.22,125.92) v1(56.62,116.71) v1(57.22,126.92) v1(60.87,108.15) v1(60.87,107.15) v1(60.87,106.15) v1(63.08,108.15) v1(63.08,107.15) v1(63.08,106.15) v1(64.67,108.15) v1(64.67,107.15) v1(64.67,106.15) v1(67.36,108.17) v1(67.36,107.17) v1(67.36,106.17) v1(76.94,108.1) v1(76.94,107.1) v1(76.94,106.1) v1(79.15,108.1) v1(79.15,107.1) v1(79.15,106.1) v2(7.67,85.35) v2(84.35,101.6) v3(49.62,109.71) v3(50.62,110.71)